# Altium PCB IFAT6.PcbDoc (part 4 of 5)
Units mil, origin at the board's own origin, x right, y up, seen from the top; angles counter-clockwise.
Board outline 8050 x 4300 mil, 6 copper layers (Top Digital, Digital, GND, Analog 1, Analog 2, Bottom Analog), stack 61.068 mil thick; 589 components, 259 nets, 1804 pads, 310 vias.
Unrouted connection lines stored in the file: 819.
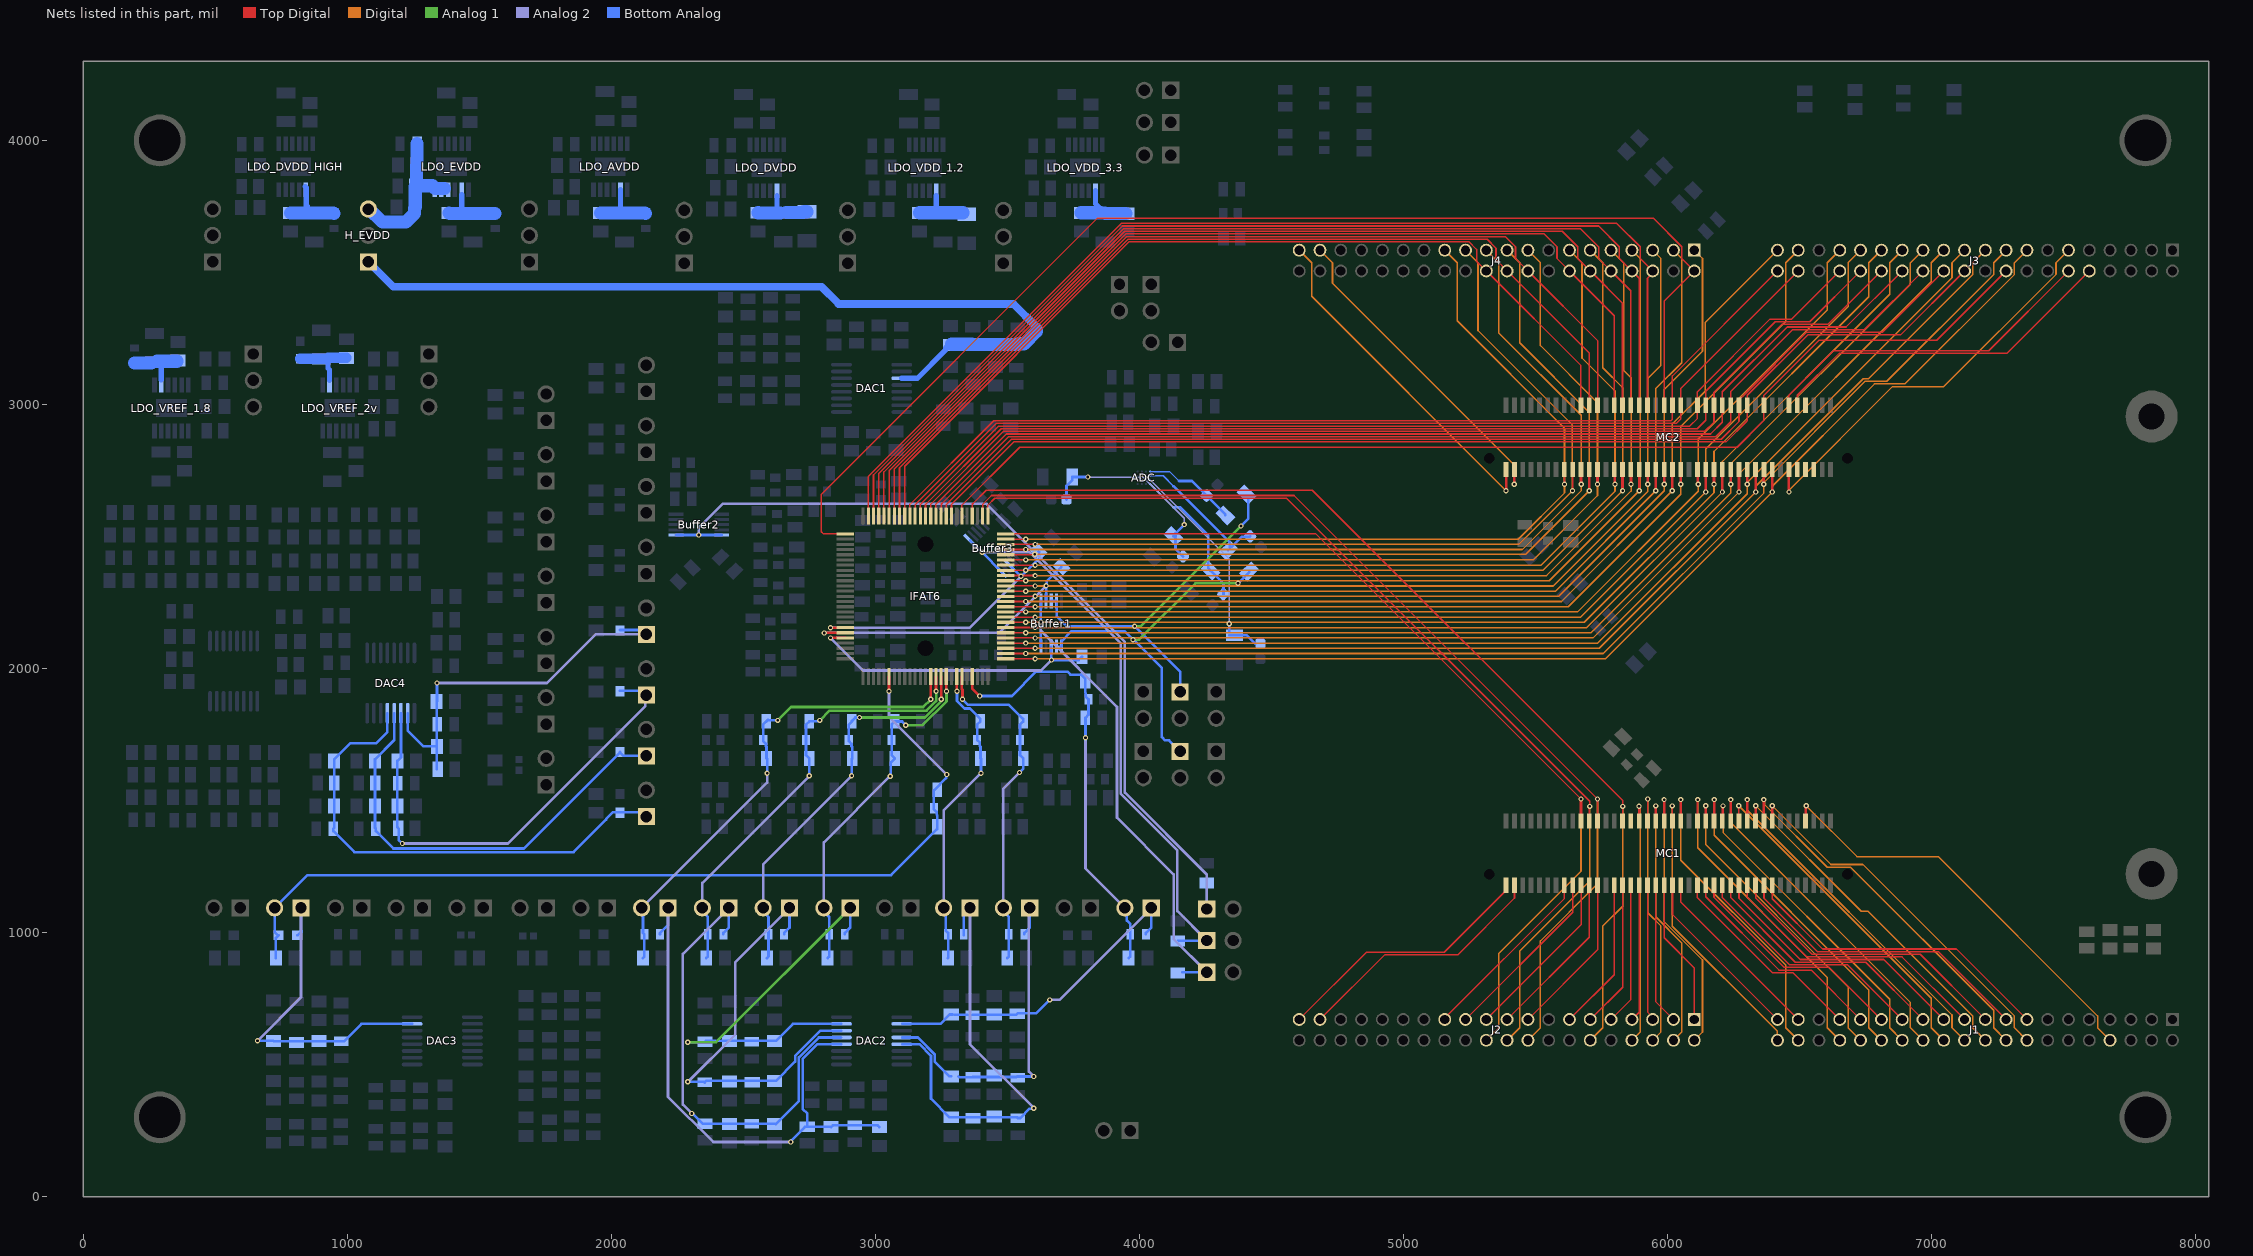
[diagram p8: the nets of this part, all layers, seen from the top]

## Via types
v1: diameter 20, hole 10, Top Digital to Digital, 100 vias
v2: diameter 20, hole 10, Top Digital to Bottom Analog, 81 vias
v3: diameter 20, hole 10, Analog 2 to Bottom Analog, 66 vias
v4: diameter 20, hole 10, Analog 1 to Bottom Analog, 34 vias
v5: diameter 50, hole 28, Top Digital to Bottom Analog, 26 vias
v6: diameter 8, hole 6, Analog 2 to Bottom Analog, 3 vias

## Nets (pads, with @x,y where several pads share a name; then routed paths per layer and width w, separated by ;. In a path a pad name is that pad's centre, name@x,y a point inside that pad or via, vN(x,y) a via of type N, cw(c..) or ccw(c..) an arc to the next point about the centre after c; other vN are vias at no path point) (continued)
EVDD_DAC: C1_EVDD_DAC.1 C2_EVDD_DAC.1 C3_EVDD_DAC.1 C4_EVDD_DAC.1 DAC1.11 H_EVDD.1 | length 3228.7
  Bottom Analog w15: 3610.16,3282.61 3610.16,3292.28
  Bottom Analog w20: DAC1.11@3100.2,3099.17 3159.38,3099.17 3265.85,3205.65 3265.85,3213.13 3280.46,3227.73 C4_EVDD_DAC.1@3287.94,3227.73
  Bottom Analog w30: H_EVDD.1@1080,3540 1174.24,3445.76 2796.25,3445.76 2861,3381 3522.64,3381 3610.16,3293.48 3610.16,3292.28
  Bottom Analog w50: C4_EVDD_DAC.1@3287.94,3227.73 C1_EVDD_DAC.1@3365.46,3227.73 ; C1_EVDD_DAC.1@3369.39,3226.65 C2_EVDD_DAC.1@3454.39,3226.65 ; C2_EVDD_DAC.1@3457.94,3226.65 C3_EVDD_DAC.1@3538.51,3226.65 ; C3_EVDD_DAC.1@3539.39,3227.54 3541.76,3229.9 3563.48,3229.9 3610.16,3276.59 3610.16,3282.61
EVDD_LDO: C1_U_Capx44.1 C2_U_Capx44.1 C3_U_Capx44.1 C4_U_Capx44.1 H_EVDD.3 LDO_EVDD.10 LDO_EVDD.11 LDO_EVDD.12 | length 567.9
  Bottom Analog w50: H_EVDD.3@1080,3740 1084.05,3740 1133.6,3690.45 1221.42,3690.45 1255.28,3724.3 C4_U_Capx44.1@1255.28,3744.45 ; C4_U_Capx44.1@1257.64,3747.99 C1_U_Capx44.1@1257.64,3824.06 ; C1_U_Capx44.1@1262.2,3827.99 1322.62,3827.99 1333.11,3817.5 1367.2,3817.5 ; C1_U_Capx44.1@1262.42,3831.93 C2_U_Capx44.1@1262.42,3903.93 ; C2_U_Capx44.1@1264.49,3907.47 C3_U_Capx44.1@1264.49,3987.99
FPGA_TCK: MC2.5
FPGA_TDI: MC2.9
FPGA_TDO: MC2.8
FPGA_TMS: MC2.7
GCOMP: C1_GCOMP.1 C2_GCOMP.2 C3_GCOMP.2 C_GCOMP.2 H_GCOMP.2 IFAT6.97 R_COMP.1 | length 1660.6
  Top Digital w10: IFAT6.97@3367.17,1969.23 3367.17,1923.07 3394.55,1895.69 v2(3395.74,1895.69)
  Analog 2 w10: v3(3795.7,1738.12) 3795.7,1242.66 H_GCOMP.2@3945,1093.37
  Bottom Analog w10: v2(3395.74,1895.69) 3516.97,1895.69 3609.15,1987.86 3727.67,1987.86 3738.53,1977.01 3779.35,1977.01 3794.43,1961.93 3794.43,1909.13 3796.67,1906.89 3796.67,1893.43 C2_GCOMP.2@3807.03,1883.07 3807.03,1825.08 C1_GCOMP.1@3795.02,1813.07 3795.7,1812.39 v3(3795.7,1738.12) ; H_GCOMP.2@3945,1078.49 3952.62,1070.87 3952.62,1045.89 3965.47,1033.04 R_COMP.1@3965.47,993.37 3965.47,909.27 C_GCOMP.2@3959.57,903.37
GCOMP_DAC: C1_GCOMP_DAC.1 C2_GCOMP_DAC.1 C3_GCOMP_DAC.1 C4_GCOMP_DAC.1 DAC2.10 H_GCOMP.1 R_COMP.2 | length 1227.6
  Analog 2 w10: v3(3660,745) 3696.63,745 H_GCOMP.1@4045,1093.37
  Bottom Analog w10: DAC2.10@3101.67,653.98 3246.07,653.98 3281.59,689.5 C4_GCOMP_DAC.1@3292,689.5 ; C4_GCOMP_DAC.1@3298.34,689.07 3533.97,689.07 3539.91,695 3610,695 v3(3660,745) ; R_COMP.2@4024.53,993.37 4024.53,998.29 4045,1018.76 H_GCOMP.1@4045,1093.37
GLEAK_DISTAL: C1_GL_DIS.1 C2_GL_DIS.2 C3_GL_DIS.2 C_GLEAKD.2 H_GLEAKD.2 IFAT6.95 R_GLEAKD.1 | length 1305.2
  Top Digital w10: IFAT6.95@3327.8,1969.23 3327.8,1921.44 3330,1919.24 v2(3330,1883.37)
  Analog 2 w10: H_GLEAKD.2@3485,1093.37 3485,1545.15 v3(3546,1606.15)
  Bottom Analog w10: v2(3330,1883.37) 3350.68,1862.69 3505.9,1862.69 3559.71,1808.88 C1_GL_DIS.1@3559.71,1799.43 3547.7,1787.42 3547.7,1672.03 C3_GL_DIS.2@3560.3,1659.43 3560,1659.13 3560,1620.15 v3(3546,1606.15) ; H_GLEAKD.2@3485,1093.37 3485,1078.49 3505.47,1058.02 3505.47,909.27 C_GLEAKD.2@3499.57,903.37
GLEAK_DISTAL_DAC: C1_GLDIST_DAC.1 C2_GLDIST_DAC.1 C3_GLDIST_DAC.1 C4_GLDIST_DAC.1 DAC2.12 H_GLEAKD.1 R_GLEAKD.2 | length 1302.8
  Analog 2 w10: H_GLEAKD.1@3585,1093.37 3581.28,1089.65 3581.28,473.72 v3(3600,455)
  Bottom Analog w10: DAC2.12@3102.2,602.8 3161.28,602.8 3224.91,539.16 3224.91,512.11 3281.59,455.43 C4_GLDIST_DAC.1@3287.5,455.43 ; C4_GLDIST_DAC.1@3315,455 3318.5,451.5 C1_GLDIST_DAC.1@3369.48,451.5 ; C1_GLDIST_DAC.1@3369.49,452.99 C3_GLDIST_DAC.1@3534.44,452.99 ; C3_GLDIST_DAC.1@3536.45,455 v3(3600,455) ; R_GLEAKD.2@3564.53,993.37 3564.53,998.29 3585,1018.76 H_GLEAKD.1@3585,1093.37
GLEAK_PROXIMAL: C1_GL_PROX.1 C2_GL_PROX.2 C3_GL_PROX.2 C_GLEAKP.2 H_GLEAKP.2 IFAT6.94 R_GLEAKP.1 | length 1191.6
  Top Digital w10: IFAT6.94@3308.11,1969.23 3308.56,1968.79 3308.56,1913.81 v2(3309,1913.37)
  Analog 2 w10: H_GLEAKP.2@3258.52,1093.37 3258.52,1461.89 v3(3400,1603.37)
  Bottom Analog w10: H_GLEAKP.2@3258.52,1093.37 3267,1084.89 3267,1006.76 3275.47,998.29 3275.47,904.27 C_GLEAKP.2@3274.57,903.37 ; v2(3309,1913.37) 3309,1877.5 3337.81,1848.69 3357.83,1848.69 3397.64,1808.88 C1_GL_PROX.1@3397.64,1799.43 3385.63,1787.42 C2_GL_PROX.2@3385.63,1729.43 3395.99,1719.07 3395.99,1705.61 3398.23,1703.37 C3_GL_PROX.2@3398.23,1659.43 3400,1657.66 v3(3400,1603.37)
GLEAK_PROXIMAL_DAC: C1_GLPROX_DAC.1 C2_GLPROX_DAC.1 C3_GLPROX_DAC.1 C4_GLPROX_DAC.1 DAC2.13 H_GLEAKP.1 R_GLEAKP.2 | length 1695.6
  Analog 2 w10: H_GLEAKP.1@3358.52,1093.37 3358.52,576.48 v3(3600,335)
  Bottom Analog w10: DAC2.13@3101.67,577.2 3167.07,577.2 3210.91,533.36 3210.91,371.2 3281.59,300.52 3536.53,300.52 C3_GLPROX_DAC.1@3539.48,297.56 3548.93,297.56 3584.46,333.09 3598.09,333.09 v3(3600,335) ; R_GLEAKP.2@3334.53,990.72 3334.53,1069.37 H_GLEAKP.1@3358.52,1093.37
INPUT_DATA0: IFAT6.1 J3.15 MC2.15 | length 4625.7
  Top Digital w6: IFAT6.1@3494.13,2037.15 3554.9,2037.15 3604.78,2037.15 v1(3605,2036.93)
  Top Digital w10: MC2.15@6396.52,2747.15 6396.8,2746.87 6396.8,2668.68 v1(6396.96,2668.51)
  Digital w6: v1(3605,2036.93) 5765.38,2036.93 v1(6396.96,2668.51) 6396.96,2690.55 6784,3077.59 6898.8,3077.59 7313.74,3492.53 7313.74,3536.92 J3.15@7361.09,3584.27
INPUT_DATA1: IFAT6.2 J3.17 MC2.17 | length 4512.6
  Top Digital w6: IFAT6.2@3494.13,2056.83 3554.9,2056.83 v1(3569.18,2056.83)
  Top Digital w10: v1(6364.96,2697.51) 6365.05,2697.6 MC2.17@6365.05,2747
  Digital w6: v1(3569.18,2056.83) 5756.83,2056.83 6364.96,2664.96 v1(6364.96,2697.51) ; v1@6364.96,2704.51 6748.04,3087.59 6830.06,3087.59 7235,3492.53 7235,3536.92 J3.17@7282.35,3584.27
INPUT_DATA2: IFAT6.3 J3.19 MC2.19 | length 4444.9
  Top Digital w6: IFAT6.3@3494.13,2076.52 3554.9,2076.52 3604.78,2076.52 v1(3605,2076.3)
  Top Digital w10: MC2.19@6333.53,2747.15 6333.8,2746.88 6333.8,2668.67 v1(6333.96,2668.51)
  Digital w6: v1(3605,2076.3) 5741.75,2076.3 v1(6333.96,2668.51) ; v1@6333.96,2675.51 6333.96,2690.55 6741,3097.59 6761.32,3097.59 7156.26,3492.53 7156.26,3536.92 J3.19@7203.61,3584.27
INPUT_DATA3: IFAT6.4 J3.21 MC2.21 | length 4347.9
  Top Digital w6: IFAT6.4@3494.13,2096.2 3554.9,2096.2 v1(3569.18,2096.2)
  Top Digital w10: v1(6301.96,2697.51) 6302.05,2697.61 MC2.21@6302.05,2746.99
  Digital w6: v1(3569.18,2096.2) 5736.2,2096.2 6301.96,2661.96 v1(6301.96,2697.51) ; v1@6301.96,2704.51 7077.52,3480.07 7077.52,3536.92 J3.21@7124.87,3584.27
INPUT_DATA4: IFAT6.5 J3.23 MC2.23 | length 4314.6
  Top Digital w6: IFAT6.5@3494.13,2115.89 3554.9,2115.89 3604.78,2115.89 v1(3605,2115.67)
  Top Digital w10: MC2.23@6270.53,2747.15 6270.81,2746.88 6270.81,2668.67 v1(6270.96,2668.51)
  Digital w6: v1(3605,2115.67) 5718.12,2115.67 v1(6270.96,2668.51) ; v1@6270.96,2675.51 6270.96,2736.52 6998.78,3464.34 6998.78,3536.92 J3.23@7046.13,3584.27
INPUT_DATA5: IFAT6.6 J3.25 MC2.25 | length 4228.2
  Top Digital w6: IFAT6.6@3494.13,2135.57 3554.9,2135.57 v1(3569.18,2135.57)
  Top Digital w10: v1(6238.96,2697.51) 6239.06,2697.61 MC2.25@6239.06,2746.97
  Digital w6: v1(3569.18,2135.57) 5710.57,2135.57 6238.96,2663.96 v1(6238.96,2697.51) ; v1@6238.96,2704.51 6238.96,2774.39 6920.04,3455.47 6920.04,3536.92 J3.25@6967.39,3584.27
INPUT_DATA6: IFAT6.7 J3.27 MC2.27 | length 4196.1
  Top Digital w6: IFAT6.7@3494.13,2155.26 3554.9,2155.26 3604.78,2155.26 v1(3605,2155.04)
  Top Digital w10: MC2.27@6207.54,2747.15 6207.81,2746.88 6207.81,2668.66 v1(6207.96,2668.51)
  Digital w6: v1(3605,2155.04) 5694.49,2155.04 v1(6207.96,2668.51) ; v1@6207.96,2675.51 6207.96,2783.76 6841.3,3417.1 6841.3,3536.92 J3.27@6888.65,3584.27
INPUT_DATA7: IFAT6.8 J3.29 MC2.29 | length 4108.6
  Top Digital w6: IFAT6.8@3494.13,2174.94 3554.9,2174.94 v1(3569.18,2174.94)
  Top Digital w10: v1(6175.96,2697.51) 6176.06,2697.62 MC2.29@6176.06,2746.96
  Digital w6: v1(3569.18,2174.94) 5684.94,2174.94 6175.96,2665.96 v1(6175.96,2697.51) ; v1@6175.96,2704.51 6175.96,2821.63 6762.55,3408.22 6762.55,3536.92 J3.29@6809.91,3584.27
INPUT_DATA8: IFAT6.9 J3.31 MC2.31 | length 4077.7
  Top Digital w6: IFAT6.9@3494.13,2194.63 3554.9,2194.63 3604.78,2194.63 v1(3605,2194.41)
  Top Digital w10: MC2.31@6144.55,2747.15 6144.81,2746.89 6144.81,2668.66 v1(6144.96,2668.51)
  Digital w6: v1(3605,2194.41) 5670.86,2194.41 v1(6144.96,2668.51) ; v1@6144.96,2675.51 6144.96,2831 6683.81,3369.85 6683.81,3536.92 J3.31@6731.16,3584.27
INPUT_DATA9: IFAT6.10 J3.33 MC2.33 | length 3997.1
  Top Digital w6: IFAT6.10@3494.13,2214.31 3554.9,2214.31 v1(3569.18,2214.31)
  Top Digital w10: MC2.33@6113.07,2746.95 6114.58,2745.44 6114.58,2698.92 v1(6115.98,2697.51)
  Digital w6: v1(3569.18,2214.31) 5659.31,2214.31 6115.98,2670.98 v1(6115.98,2697.51) 6115.98,2868.77 6605.07,3357.87 6605.07,3536.92 J3.33@6652.42,3584.27
INPUT_DATA10: IFAT6.11 J3.37 MC2.37 | length 3883.7
  Top Digital w6: IFAT6.11@3494.13,2234 3554.9,2234 3604.78,2234 v1(3605,2233.78)
  Top Digital w10: v1(6049.96,2697.51) 6050.07,2697.62 MC2.37@6050.07,2747.14
  Digital w6: v1(3605,2233.78) 5623.78,2233.78 6049.96,2659.96 v1(6049.96,2697.51) ; v1@6049.96,2704.51 6049.96,2916.11 6447.59,3313.74 6447.59,3536.92 J3.37@6494.94,3584.27
INPUT_DATA11: IFAT6.12 J3.39 MC2.39 | length 3847.7
  Top Digital w6: IFAT6.12@3494.13,2253.68 3554.9,2253.68 v1(3569.18,2253.68)
  Top Digital w10: v1(6018.32,2673.34) 6018.5,2673.52 6018.5,2747.09 MC2.39@6018.57,2747.15
  Digital w6: v1(3569.18,2253.68) 5598.66,2253.68 v1(6018.32,2673.34) 6018.32,2925.97 6142.63,3050.28 6142.63,3310.7 J3.39@6416.2,3584.27
INPUT_DATA12: IFAT6.13 J4.1 MC2.41 | length 3686.8
  Top Digital w6: IFAT6.13@3494.13,2273.37 3554.9,2273.37 3604.78,2273.37 v1(3605,2273.15)
  Top Digital w10: MC2.41@5987.07,2747.15 5987.57,2746.65 5987.57,2697.9 v1(5987.96,2697.51)
  Digital w6: v1(3605,2273.15) 5588.15,2273.15 5987.96,2672.96 v1(5987.96,2697.51) ; v1@5987.96,2704.51 5987.96,3056.36 6132.63,3201.03 6132.63,3552.88 J4.1@6101.24,3584.27
INPUT_DATA13: IFAT6.14 J4.3 MC2.43 | length 3657.4
  Top Digital w6: IFAT6.14@3494.13,2293.05 3554.9,2293.05 v1(3569.18,2293.05)
  Top Digital w10: MC2.43@5955.76,2746.97 5955.76,2673.41 v1(5955.83,2673.34)
  Digital w6: v1(3569.18,2293.05) 5575.54,2293.05 v1(5955.83,2673.34) 5955.83,3060.18 6053.89,3158.25 6053.89,3552.88 J4.3@6022.5,3584.27
INPUT_DATA14: IFAT6.15 J4.5 MC2.45 | length 3570.1
  Top Digital w6: IFAT6.15@3494.13,2312.74 3554.9,2312.74 3604.78,2312.74 v1(3605,2312.52)
  Top Digital w10: MC2.45@5924.08,2747.15 5924.58,2746.65 5924.58,2697.9 v1(5924.96,2697.51)
  Digital w6: v1(3605,2312.52) 5567.52,2312.52 5924.96,2669.96 v1(5924.96,2697.51) ; v1@5924.96,2704.51 5924.96,3097.81 5975.15,3148.01 5975.15,3552.88 J4.5@5943.76,3584.27
INPUT_DATA15: IFAT6.16 J4.7 MC2.47 | length 3539
  Top Digital w6: IFAT6.16@3494.13,2332.42 3554.9,2332.42 v1(3569.18,2332.42)
  Top Digital w10: MC2.47@5892.77,2746.97 5892.77,2673.41 v1(5892.83,2673.34)
  Digital w6: v1(3569.18,2332.42) 5551.91,2332.42 v1(5892.83,2673.34) 5892.83,2677.13 5896.41,2680.71 5896.41,3552.88 J4.7@5865.02,3584.27
INPUT_DATA16: IFAT6.17 J4.9 MC2.49 | length 3487.1
  Top Digital w6: IFAT6.17@3494.13,2352.11 3554.9,2352.11 3604.78,2352.11 v1(3605,2351.89)
  Top Digital w10: MC2.49@5861.09,2747.15 5861.58,2746.66 5861.58,2697.89 v1(5861.96,2697.51)
  Digital w6: v1(3605,2351.89) 5541.89,2351.89 5861.96,2671.96 v1(5861.96,2697.51) ; J4.9@5786.28,3584.27 5833.63,3536.92 5833.63,3129.09 5861.96,3100.77 v1@5861.96,2704.51
INPUT_DATA17: IFAT6.18 J4.11 MC2.51 | length 3495.8
  Top Digital w6: IFAT6.18@3494.13,2371.79 3554.9,2371.79 v1(3569.18,2371.79)
  Top Digital w10: MC2.51@5829.77,2746.97 5829.77,2673.4 v1(5829.83,2673.34)
  Digital w6: v1(3569.18,2371.79) 3611.79,2371.79 5528.29,2371.79 v1(5829.83,2673.34) 5829.83,3063.76 5754.89,3138.7 5754.89,3536.92 J4.11@5707.54,3584.27
INPUT_DATA18: IFAT6.19 J4.13 MC2.53 | length 3458.2
  Top Digital w6: IFAT6.19@3494.13,2391.48 3554.9,2391.48 3604.78,2391.48 v1(3605,2391.26)
  Top Digital w10: MC2.53@5798.09,2747.15 5799.6,2745.65 5799.6,2698.9 v1(5800.98,2697.51)
  Digital w6: v1(3605,2391.26) 5521.26,2391.26 5800.98,2670.98 v1(5800.98,2697.51) 5800.98,3050.91 5676.15,3175.74 5676.15,3536.92 J4.13@5628.8,3584.27
INPUT_DATA19: IFAT6.20 J4.17 MC2.57 | length 3423
  Top Digital w6: IFAT6.20@3494.13,2411.16 3554.9,2411.16 v1(3569.18,2411.16)
  Top Digital w10: v1(5734.96,2697.51) 5735.09,2697.64 MC2.57@5735.09,2747.14
  Digital w6: v1(3569.18,2411.16) 3606.16,2411.16 5491.16,2411.16 5734.96,2654.96 v1(5734.96,2697.51) ; J4.17@5471.32,3584.27 5518.67,3536.92 5518.67,3223.07 5734.96,3006.78 v1@5734.96,2704.51
INPUT_DATA20: IFAT6.21 J4.19 MC2.59 | length 3423.8
  Top Digital w6: IFAT6.21@3494.13,2430.85 3554.9,2430.85 3601.81,2430.85 v1(3603.29,2432.34)
  Top Digital w10: MC2.59@5703.84,2746.92 5703.84,2673.46 v1(5703.96,2673.34)
  Digital w6: v1(3603.29,2432.34) 3606.71,2432.34 5462.96,2432.34 v1(5703.96,2673.34) 5703.96,2969.22 5439.93,3233.25 5439.93,3536.92 J4.19@5392.58,3584.27
INPUT_DATA21: IFAT6.22 J4.21 MC2.61 | length 3374
  Top Digital w6: IFAT6.22@3494.13,2450.53 3554.9,2450.53 v1(3569.18,2450.53)
  Top Digital w10: MC2.61@5672.11,2747.15 5672.59,2746.67 5672.59,2697.88 v1(5672.96,2697.51)
  Digital w6: v1(3569.18,2450.53) 3609.57,2450.53 5450.53,2450.53 5672.55,2672.55 5672.55,2697.11 v1(5672.96,2697.51) ; J4.21@5313.84,3584.27 5361.19,3536.92 5361.19,3270.81 5672.96,2959.04 v1@5672.96,2704.51
INPUT_DATA22: IFAT6.23 J4.23 MC2.63 | length 3392.6
  Top Digital w6: IFAT6.23@3494.13,2470.22 3554.9,2470.22 3604.78,2470.22 v1(3605,2470) ; v1@5640.37,2670.37 5640.37,2753.63 MC2.63@5640.73,2753.99
  Digital w6: v1(3605,2470) 5436.66,2470 v1(5640,2673.34) 5640,2922.46 5282.45,3280.01 5282.45,3536.92 J4.23@5235.1,3584.27
INPUT_DATA23: IFAT6.24 J4.25 MC2.65 | length 3354.3
  Top Digital w6: IFAT6.24@3494.13,2489.9 3554.9,2489.9 v1(3569.18,2489.9) ; MC2.65@5609.24,2753.99 5609.62,2753.61 v1@5609.62,2695.38
  Digital w6: v1(3569.18,2489.9) 5434.9,2489.9 5610,2665 v1(5610,2697.51) 5610,2910.18 5203.71,3316.47 5203.71,3536.92 J4.25@5156.36,3584.27
INPUT_DATA_ACK: IFAT6.26 J2.20 MC1.60 | length 3898.3
  Top Digital w6: IFAT6.26@3426.22,2577.5 3426.22,2618.98 3452.24,2645 4557.13,2645 5705,1497.13 v1(5705,1477.68) ; MC1.60@5703.72,1422.18 5704.36,1422.82 v1@5704.36,1479.36
  Digital w6: J2.20@5392.58,592.14 5439.93,639.49 5439.93,929.95 5705,1195.01 v1(5705,1477.68)
INPUT_DATA_REQ: IFAT6.25 J2.22 MC1.62 | length 3733.4
  Top Digital w6: IFAT6.25@3494.13,2509.59 3550.41,2509.59 4668.5,2509.59 v1(5672.41,1505.68)
  Top Digital w10: MC1.62@5672.32,1427.67 v1@5672.32,1505.59 ; v1@5672.32,1505.29 5672.56,1505.53 v1(5672.41,1505.68) ; v1@5672.32,1510.59 v1@5672.41,1510.68
  Digital w6: J2.22@5314.29,594.31 5316.01,594.31 5361.19,639.49 5361.19,920.87 5672.41,1232.09 v1(5672.41,1505.68)
MC1_15: J1.15 MC1.15 | length 1202.9
  Top Digital w6: MC1.15@6396.97,1179.19 6396.97,1128.03 6587.16,937.84 7094.13,937.84 7355.92,676.05 J1.15@7361.54,676.05
MC1_16: J1.16 MC1.16 | length 1402.1
  Top Digital w10: MC1.16@6396.8,1427.6 6396.8,1477.07 v1@6396.97,1477.24
  Digital w6: v1@6400.16,1475.43 6401.53,1475.43 6619.28,1257.69 6739.94,1257.69 7313.74,683.89 7313.74,639.49 7358.92,594.31 J1.16@7361.54,594.31
  other v1: 6396.96,1480
MC1_17: J1.17 MC1.17 | length 1160.1
  Top Digital w6: MC1.17@6365.47,1184.51 6365.47,1129.53 6567.16,927.84 7025.39,927.84 7277.18,676.05 J1.17@7282.8,676.05
MC1_18: J1.18 MC1.18 | length 1418.5
  Top Digital w10: MC1.18@6365.05,1427.85 v1@6365.05,1505.2
  Digital w6: v1@6365.41,1502.68 6367.64,1500.45 6367.64,1485.28 6605.23,1247.69 6692.78,1247.69 7235,705.47 7235,639.49 7280.18,594.31 J1.18@7282.8,594.31
  other v1: 6364.96,1503.56
MC1_19: J1.19 MC1.19 | length 1112
  Top Digital w6: MC1.19@6333.98,1184.51 6333.98,1131.02 6547.16,917.84 6956.65,917.84 7198.44,676.05 J1.19@7204.05,676.05
MC1_20: J1.20 MC1.20 | length 1309.7
  Top Digital w10: MC1.20@6333.98,1427.43 6334.03,1427.48 6334.03,1477.19 v1@6333.98,1477.25
  Digital w6: v1@6335.16,1475.43 6338.98,1475.43 6733.81,1080.6 6759.54,1080.6 7156.26,683.89 7156.26,639.49 7201.44,594.31 J1.20@7204.05,594.31
  other v1: 6334.41,1480
MC1_21: J1.21 MC1.21 | length 1063.9
  Top Digital w6: MC1.21@6302.48,1184.51 6302.48,1132.52 6527.16,907.84 6887.91,907.84 7119.7,676.05 J1.21@7125.31,676.05
MC1_22: J1.22 MC1.22 | length 1328.7
  Top Digital w10: MC1.22@6302.28,1427.63 v1@6302.28,1505.55
  Digital w6: v1@6302.41,1502.68 6302.41,1462.97 7077.52,687.87 7077.52,639.49 7122.7,594.31 J1.22@7125.31,594.31
  other v1: 6302.41,1503.56
MC1_23: J1.23 MC1.23 | length 1015.1
  Top Digital w6: MC1.23@6270.65,1179.19 6270.65,1129.51 6502.33,897.84 6819.17,897.84 J1.23@7046.13,670.88
MC1_24: J1.24 MC1.24 | length 1261.5
  Top Digital w6: v1(6270,1480) 6270.33,1479.67 6270.33,1428.09 MC1.24@6270.72,1427.69
  Digital w6: v1(6270,1480) 6998.78,751.22 6998.78,639.49 7043.96,594.31 J1.24@7046.57,594.31
MC1_25: J1.25 MC1.25 | length 966.2
  Top Digital w6: MC1.25@6239.16,1179.19 6239.16,1132.33 6483.64,887.84 6750.43,887.84 J1.25@6967.39,670.88
MC1_26: J1.26 MC1.26 | length 1300.4
  Top Digital w10: MC1.26@6239.28,1427.63 v1@6239.28,1509.28
  Digital w6: v1@6240,1510 6240,1415.44 6920.04,735.4 6920.04,639.49 6965.22,594.31 J1.26@6967.83,594.31
  other v1: 6240,1503.56
MC1_27: J1.27 MC1.27 | length 919
  Top Digital w6: MC1.27@6207.66,1179.19 6207.66,1132.34 6462.16,877.84 6681.69,877.84 J1.27@6888.65,670.88
MC1_28: J1.28 MC1.28 | length 1221
  Top Digital w10: MC1.28@6207.99,1427.43 6208.97,1428.41 6208.97,1478.24 v1(6210.29,1479.56)
  Digital w6: v1(6210.29,1479.56) 6210.29,1378.92 6841.3,747.92 6841.3,639.49 6886.48,594.31 J1.28@6889.09,594.31
MC1_29: J1.29 MC1.29 | length 870.9
  Top Digital w6: MC1.29@6176.16,1179.19 6176.16,1133.84 6442.16,867.84 6612.95,867.84 J1.29@6809.91,670.88
MC1_30: J1.30 MC1.30 | length 1255.5
  Top Digital w10: MC1.30@6176.16,1422.18 6176.65,1422.66 6176.65,1503.39 v1@6177.13,1503.87
  Digital w6: v1@6177.13,1503.87 6177.13,1368.13 6762.55,782.71 6762.55,639.5 6807.74,594.31 J1.30@6810.35,594.31
  other v1: 6177.13,1503.56
MC1_31: J1.31 MC1.31 | length 822.8
  Top Digital w6: MC1.31@6144.67,1179.19 6144.67,1135.25 6422.08,857.84 6544.21,857.84 J1.31@6731.16,670.88
MC1_32: J1.32 MC1.32 | length 1187
  Top Digital w10: MC1.32@6144.67,1422.18 6144.83,1422.35 6144.83,1479.83 v1(6145,1480)
  Digital w6: v1@6145,1478.87 6145,1333.05 6683.81,794.23 6683.81,639.49 6729,594.31 J1.32@6731.61,594.31
MC1_33: J1.33 MC1.33 | length 777.5
  Top Digital w6: MC1.33@6113.17,1179.19 6113.17,1131.83 6397.16,847.84 6475.47,847.84 J1.33@6652.42,670.88
MC1_34: J1.34 MC1.34 | length 1216.2
  Top Digital w6: MC1.34@6113.17,1422.18 6113.63,1422.64 6113.63,1503.1 v1(6114.09,1503.56)
  Digital w6: v1(6114.09,1503.56) 6114.09,1320.91 6605.07,829.93 6605.07,639.49 J1.34@6652.42,592.14